# Altium PCB LimeSDR-X3_1v0.PcbDoc (part 17 of 25)
Units mm, origin at the board's own origin, x right, y up, seen from the top; angles counter-clockwise.
Board outline 232.5 x 111.15 mm, 12 copper layers (Top, L2, L3, L4, L5, L6, L7, L8, L9, L10, L11, Bottom), stack 1.596 mm thick; 2057 components, 1391 nets, 8880 pads, 3657 vias.
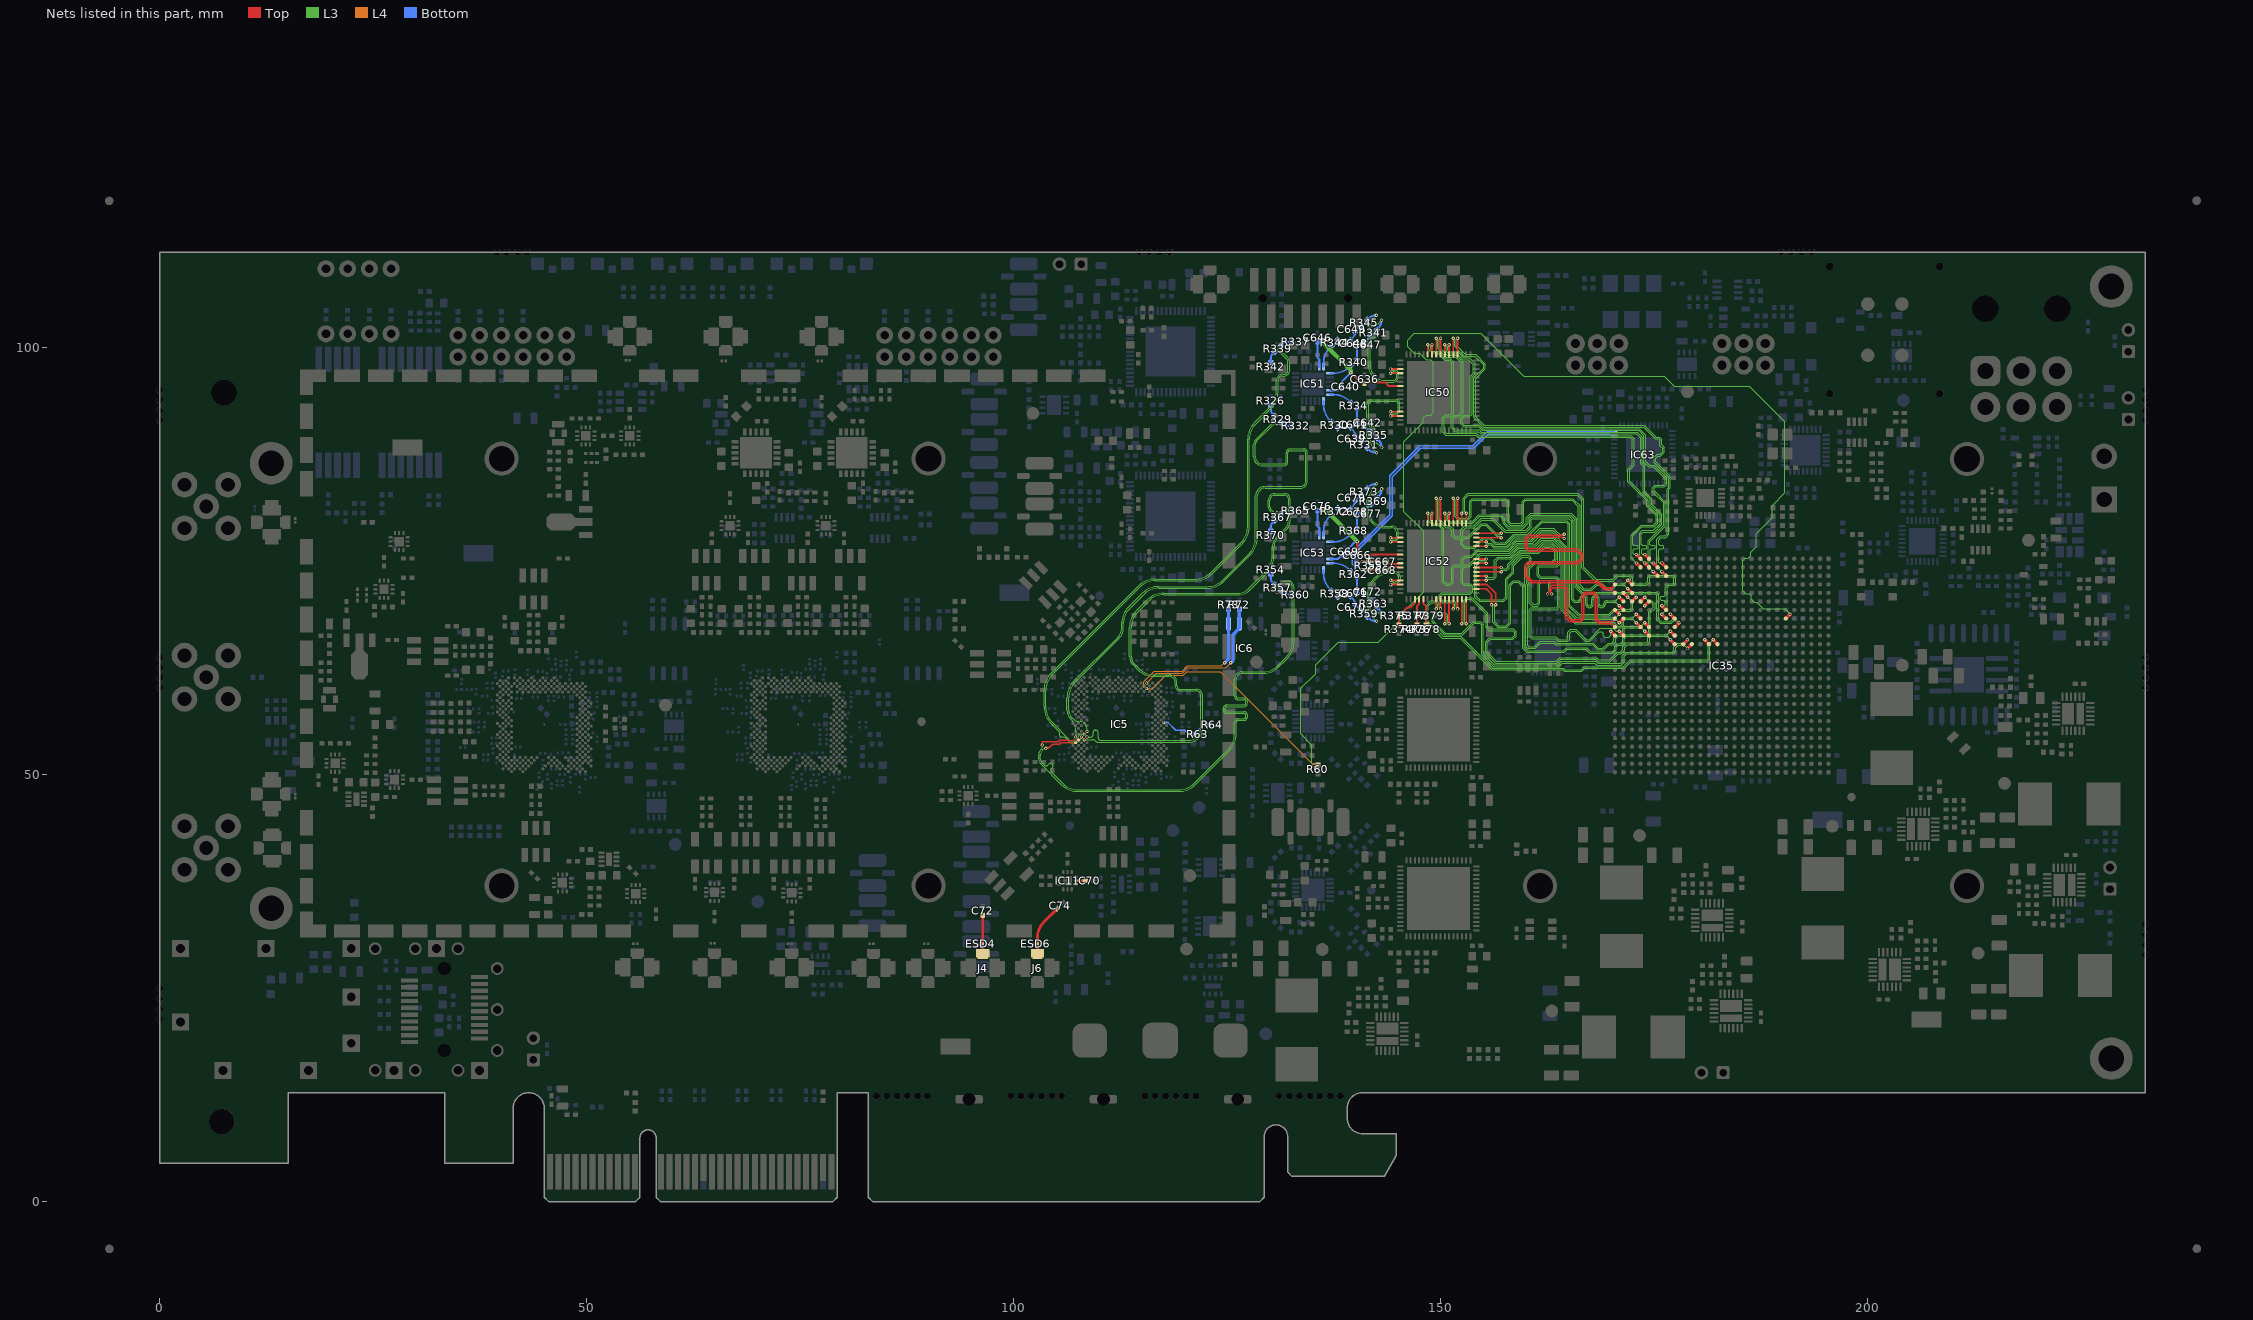
[diagram p27: the nets of this part, all layers, seen from the top]

## Via types
v1: diameter 0.4, hole 0.2, Top to Bottom, tented both sides, 3068 vias
v2: diameter 0.35, hole 0.2, Top to Bottom, tented both sides, 272 vias
v3: diameter 0.5, hole 0.2, Top to Bottom, tented bottom, 196 vias
v4: diameter 0.5, hole 0.2, Top to Bottom, tented both sides, 102 vias
v5: diameter 0.8, hole 0.4, Top to Bottom, tented both sides, 13 vias
v6: diameter 0.4, hole 0.2, Top to Bottom, tented top, 6 vias

## Nets (pads, with @x,y where several pads share a name; then routed paths per layer and width w, separated by ;. In a path a pad name is that pad's centre, name@x,y a point inside that pad or via, vN(x,y) a via of type N, cw(c..) or ccw(c..) an arc to the next point about the centre after c; other vN are vias at no path point) (continued)
LMS3_BB_ADC1_DB3_N: IC35.AE20 IC50.4 | length 55.4
  Top w0.2: IC50.4@151.95,99.2 v1(151.95,101.1)
  Top w0.4: v1(175.875,74.775) IC35.AE20@176.375,74.275
  L3 w0.1: v1(151.95,101.1) 151.95,101.041 151.8,100.891 151.8,100.233 152.254,99.779 152.833,99.2 154.058,99.2 155.2,98.058 155.2,97.525 154.05,96.375 154.05,91.925 155.075,90.9 173.808,90.9 175.183,89.525 175.583,89.525 175.85,89.258 175.85,88.605 176.149,88.306 176.149,87.741 175.708,87.3 175.383,87.3 175.15,87.067 175.15,86.608 176.85,84.908 176.85,83.567 176.675,83.392 176.675,78.133 176.301,77.759 175.766,77.759 175.475,77.467 175.475,77 175.6,76.875 175.975,76.875 176.075,76.775 176.075,76.525 175.975,76.425 175.6,76.425 175.5,76.325 175.5,74.875 175.6,74.775 v1(175.875,74.775)
LMS3_BB_ADC1_DB3_P: IC35.AD20 IC50.5 | length 55.4
  Top w0.2: IC50.5@151.45,99.2 v1(151.45,101.1)
  Top w0.4: v1(175.875,73.775) IC35.AD20@176.375,73.275
  L3 w0.1: v1(151.45,101.1) 151.45,101.041 151.6,100.891 151.6,100.15 152.171,99.579 152.75,99 153.975,99 155,97.975 155,97.608 153.85,96.458 153.85,91.842 154.992,90.7 173.725,90.7 175.1,89.325 175.5,89.325 175.65,89.175 175.65,88.522 175.949,88.224 175.949,87.824 175.625,87.5 175.3,87.5 174.95,87.15 174.95,86.525 176.65,84.825 176.65,83.65 176.475,83.475 176.475,78.216 176.218,77.959 175.684,77.959 175.275,77.55 175.275,74.375 v1(175.875,73.775)
LMS3_BB_ADC1_DB4_N: IC35.AE21 IC50.6 | length 56.4
  Top w0.2: IC50.6@150.95,99.2 v1(150.95,100.35)
  Top w0.4: v1(174.875,74.775) IC35.AE21@175.375,74.275
  L3 w0.1: v1(150.95,100.35) 150.95,100.291 150.8,100.141 150.8,99.675 150.975,99.5 151.958,99.5 152.658,98.8 153.295,98.8 154,98.095 154,96.917 153.65,96.567 153.65,92.217 153.333,91.9 152.75,91.9 152.5,91.65 152.5,91.175 152.75,90.925 153,90.925 154.133,90.925 154.484,90.925 154.909,90.5 173.233,90.5 173.975,89.758 173.975,86.675 174.425,86.225 174.967,86.225 176.45,84.742 176.45,84.017 176.133,83.7 175.158,83.7 174.966,83.509 174.966,83.216 176.275,81.908 176.275,79.092 174.475,77.292 174.475,77 174.6,76.875 174.975,76.875 175.075,76.775 175.075,76.525 174.975,76.425 174.6,76.425 174.5,76.325 174.5,74.875 174.6,74.775 v1(174.875,74.775)
LMS3_BB_ADC1_DB4_P: IC35.AD21 IC50.7 | length 56.4
  Top w0.2: IC50.7@150.45,99.2 v1(150.45,100.35)
  Top w0.4: v1(174.875,73.775) IC35.AD21@175.375,73.275
  L3 w0.1: v1(150.45,100.35) 150.45,100.291 150.6,100.141 150.6,99.675 150.6,99.592 150.892,99.3 151.875,99.3 152.575,98.6 153.213,98.6 153.8,98.013 153.8,97 153.45,96.65 153.45,92.3 153.25,92.1 152.667,92.1 152.3,91.733 152.3,91.092 152.667,90.725 153,90.725 154.05,90.725 154.401,90.725 154.826,90.3 173.15,90.3 173.775,89.675 173.775,86.592 174.342,86.025 174.884,86.025 176.25,84.659 176.25,84.1 176.05,83.9 175.075,83.9 174.766,83.591 174.766,83.134 176.075,81.825 176.075,79.175 174.275,77.375 174.275,74.375 v1(174.875,73.775)
LMS3_BB_ADC1_DB5_N: IC35.AF22 IC50.8 | length 55.9
  Top w0.2: IC50.8@149.95,99.2 v1(149.95,101.1)
  Top w0.4: v1(173.875,75.775) IC35.AF22@174.375,75.275
  L3 w0.1: v1(149.95,101.1) 149.95,101.041 149.8,100.891 149.8,100.025 150.725,99.1 151.792,99.1 152.6,98.292 152.6,92.342 152.158,91.9 151.679,91.9 151.425,91.646 151.425,90.7 151.75,90.375 154.469,90.375 154.744,90.1 172.968,90.1 173.575,89.493 173.575,86.509 173.875,86.209 173.875,83.15 174.7,82.325 174.7,81.65 175.875,80.475 175.875,79.317 174.958,78.4 173.669,78.4 173.475,78.206 173.475,77 173.6,76.875 173.975,76.875 174.075,76.775 174.075,76.525 173.975,76.425 173.6,76.425 173.5,76.325 173.5,75.875 173.6,75.775 v1(173.875,75.775)
LMS3_BB_ADC1_DB5_P: IC35.AE22 IC50.9 | length 55.9
  Top w0.2: IC50.9@149.45,99.2 v1(149.45,101.1)
  Top w0.4: v1(173.875,74.775) IC35.AE22@174.375,74.275
  L3 w0.1: v1(149.45,101.1) 149.45,101.041 149.6,100.891 149.6,99.942 150.642,98.9 151.709,98.9 152.4,98.209 152.4,92.425 152.075,92.1 151.596,92.1 151.225,91.729 151.225,90.617 151.667,90.175 154.386,90.175 154.661,89.9 172.885,89.9 173.375,89.41 173.375,86.426 173.675,86.126 173.675,83.067 174.5,82.242 174.5,81.567 175.675,80.392 175.675,79.4 174.875,78.6 173.586,78.6 173.275,78.289 173.275,75.375 v1(173.875,74.775)
LMS3_BB_ADC1_DB6_N: IC35.AF23 IC50.10 | length 55.7
  Top w0.2: IC50.10@148.95,99.2 v1(148.95,100.35)
  Top w0.4: v1(172.875,75.775) IC35.AF23@173.375,75.275
  L3 w0.1: v1(148.95,100.35) 148.95,100.291 148.8,100.141 148.8,99.825 149.05,99.575 149.658,99.575 150.533,98.7 151.108,98.7 151.475,98.333 151.475,92.262 151.138,91.925 150.6,91.925 150.375,91.7 150.375,90.208 150.633,89.95 154.158,89.95 154.408,89.7 172.258,89.7 172.625,89.333 172.625,86.217 172.1,85.692 172.1,84.35 174.3,82.15 174.3,81.484 175.4,80.384 175.4,79.442 174.958,79 173.533,79 172.475,77.942 172.475,77 172.6,76.875 172.975,76.875 173.075,76.775 173.075,76.525 172.975,76.425 172.6,76.425 172.5,76.325 172.5,75.875 172.6,75.775 v1(172.875,75.775)
LMS3_BB_ADC1_DB6_P: IC35.AE23 IC50.11 | length 55.7
  Top w0.2: IC50.11@148.45,99.2 v1(148.45,100.35)
  Top w0.4: v1(172.875,74.775) IC35.AE23@173.375,74.275
  L3 w0.1: v1(148.45,100.35) 148.45,100.291 148.6,100.141 148.6,99.742 148.967,99.375 149.575,99.375 150.45,98.5 151.025,98.5 151.275,98.25 151.275,92.345 151.055,92.125 150.517,92.125 150.175,91.783 150.175,90.125 150.55,89.75 154.075,89.75 154.325,89.5 172.175,89.5 172.425,89.25 172.425,86.3 171.9,85.775 171.9,84.267 174.1,82.067 174.1,81.401 175.2,80.301 175.2,79.525 174.875,79.2 173.45,79.2 172.275,78.025 172.275,75.375 v1(172.875,74.775)
LMS3_BB_ADC1_INA_N: IC50.30 R331.1 | length 15.1
  Top w0.2: v1(144.1,92) IC50.30@145.25,92
  L3 w0.1: v1(142.45,87.7) 142.075,88.075 cw(c142.437,88.437) 141.925,88.437 ccw(c141.33,88.437) 141.751,88.858 141.577,89.031 cw(c142.186,89.64) 141.325,89.64 141.325,93.391 cw(c141.834,93.391) 141.834,93.9 144.746,93.9 cw(c144.746,93.471) 145.175,93.471 145.175,92.677 cw(c144.648,92.677) 144.648,92.15 144.462,92.15 ccw(c144.462,91.779) 144.2,92.041 cw(c144.1,92.141) v1(144.1,92)
  Bottom w0.254: R331.1@141.372,88.247 141.543,88.076 ccw(c142.45,88.983) v1(142.45,87.7)
LMS3_BB_ADC1_INA_P: IC50.29 R335.1 | length 15
  Top w0.2: v1(144.1,92.5) IC50.29@145.25,92.5
  L3 w0.1: v1(143.05,88.3) 142.675,88.675 ccw(c142.313,88.313) 142.313,88.825 cw(c142.313,89.42) 141.892,88.999 141.72,89.171 cw(c142.191,89.642) 141.525,89.642 141.525,89.863 cw(c141.787,89.863) 141.787,90.125 142.05,90.125 ccw(c142.05,90.35) 142.275,90.35 142.275,90.55 ccw(c142.1,90.55) 142.1,90.725 141.825,90.725 cw(c141.825,91.025) 141.525,91.025 141.525,93.378 cw(c141.847,93.378) 141.847,93.7 144.746,93.7 cw(c144.746,93.471) 144.975,93.471 144.975,92.677 cw(c144.648,92.677) 144.648,92.35 144.462,92.35 cw(c144.462,92.721) 144.2,92.459 ccw(c144.1,92.359) v1(144.1,92.5)
  Bottom w0.254: R335.1@142.503,89.378 142.674,89.207 cw(c141.767,88.3) v1(143.05,88.3)
LMS3_BB_ADC1_INB_N: IC50.20 R341.1 | length 15.1
  Top w0.2: v1(144.1,97) IC50.20@145.25,97
  L3 w0.1: v1(143.041,103.191) 142.666,102.816 cw(c142.304,103.179) 142.304,102.666 ccw(c142.304,102.072) 141.884,102.492 ccw(c142.327,102.049) 141.7,102.049 ccw(c142,102.049) 142,101.749 142.275,101.749 cw(c142.275,101.574) 142.45,101.574 142.45,101.374 cw(c142.225,101.374) 142.225,101.149 141.962,101.149 ccw(c141.962,100.887) 141.7,100.887 141.7,97.925 ccw(c143.475,97.925) 143.475,96.15 144.363,96.15 ccw(c144.363,96.613) 144.825,96.613 144.825,96.9 ccw(c144.575,96.9) 144.575,97.15 144.462,97.15 ccw(c144.462,96.779) 144.2,97.041 cw(c144.1,97.141) v1(144.1,97)
  Bottom w0.254: R341.1@142.495,102.113 142.666,102.284 ccw(c141.759,103.191) v1(143.041,103.191)
LMS3_BB_ADC1_INB_P: IC50.19 R345.1 | length 15.1
  Top w0.2: v1(144.1,97.5) IC50.19@145.25,97.5
  L3 w0.1: v1(142.441,103.791) 142.066,103.416 ccw(c142.429,103.054) 141.916,103.054 cw(c141.322,103.054) 141.742,102.634 141.741,102.632 ccw(c142.322,102.051) 141.5,102.051 141.5,97.925 ccw(c143.475,97.925) 143.475,95.95 144.373,95.95 ccw(c144.373,96.602) 145.025,96.602 145.025,96.9 ccw(c144.575,96.9) 144.575,97.35 144.462,97.35 cw(c144.462,97.721) 144.2,97.459 ccw(c144.1,97.359) v1(144.1,97.5)
  Bottom w0.254: R345.1@141.363,103.245 141.534,103.416 cw(c142.441,102.509) v1(142.441,103.791)
LMS3_BB_ADC1_VCM: C636.2 C640.1 C646.1 IC50.23 IC51.11 IC51.17 | length 19.1
  Top w0.24: 140.573,95.925 143.46,95.925 143.885,95.5 IC50.23@145.25,95.5
  Top w0.254: v1(139.449,97.049) 140.573,95.925 140.598,95.9 140.95,95.9 C636.2@141.05,95.8
  L3 w0.5: v1(136.1,100.675) 139.449,97.326 v1(139.449,97.049)
  Bottom w0.254: C646.1@135.55,100.675 135.55,98.825 135.75,98.625 IC51.11@135.75,97.75 ; IC51.17@137,95 137.925,95 C640.1@138.325,95.4 138.325,95.925 v1(139.449,97.049)
  Bottom w0.4: C646.1@135.55,100.675 v1(136.1,100.675)
LMS3_BB_ADC2_CLK_N: C668.2 IC63.36 R355.1 | length 43.9
  Top w0.2: v1(140.752,73.952) C668.2@142.634,73.952
  Bottom w0.2: v1(140.752,73.952) 140.698,73.952 140.598,74.052 140.586,74.052 140.336,74.302 140.026,74.302 139.625,74.702 139.625,76.049 144,80.424 144,84.974 147.526,88.5 153.725,88.5 155.35,90.125 169.812,90.125 169.887,90.2 170.275,90.2 IC63.36@170.3,90.225
LMS3_BB_ADC2_CLK_P: C667.2 IC63.35 R355.2 | length 42.9
  Top w0.2: v1(140.752,74.952) R355.2@141.534,74.952 C667.2@142.634,74.952
  Bottom w0.2: v1(140.752,74.952) 140.698,74.952 140.598,74.852 140.586,74.852 140.336,74.602 140.15,74.602 139.925,74.827 139.925,75.925 144.3,80.3 144.3,84.85 147.65,88.2 153.849,88.2 155.474,89.825 169.812,89.825 169.887,89.75 170.275,89.75 IC63.35@170.3,89.725
LMS3_BB_ADC2_CLKC_N: C668.1 IC52.26 | length 1.8
  Top w0.2: C668.1@143.634,74 143.822,74.188 ccw(c143.794,74.216) 143.834,74.216 cw(c143.873,74.216) 143.845,74.244 cw(c144.1,73.99) 144.1,74.35 144.625,74.35 144.813,74.35 cw(c144.813,74.179) 144.934,74.3 ccw(c145.055,74.421) 145.055,74.25 IC52.26@145.25,74.25
LMS3_BB_ADC2_CLKC_P: C667.1 IC52.25 | length 1.8
  Top w0.2: C667.1@143.634,75 143.822,74.812 cw(c143.794,74.784) 143.834,74.784 ccw(c143.873,74.784) 143.845,74.756 ccw(c144.1,75.01) 144.1,74.65 144.813,74.65 ccw(c144.813,74.821) 144.934,74.7 cw(c145.055,74.579) 145.055,74.75 IC52.25@145.25,74.75
LMS3_BB_ADC2_CLKOUT_N: IC35.V22 IC52.56 | length 44.1
  Top w0.2: IC52.56@154.15,74.75 v1(155.3,74.75)
  Top w0.4: v1(173.875,67.775) IC35.V22@174.375,67.275
  L3 w0.1: v1(155.3,74.75) 155.271,74.75 155.121,74.9 154.575,74.9 154.15,74.475 154.15,70.875 154.55,70.475 157.3,70.475 157.575,70.75 157.575,72.95 158.325,73.7 158.325,74.556 159.444,75.675 160.269,75.675 160.6,75.344 160.6,74.866 160.025,74.291 160.025,72.374 160.15,72.249 160.15,65.066 160.241,64.975 160.95,64.975 161.567,65.592 163.29,65.592 163.483,65.4 167.833,65.4 168.435,64.798 168.973,64.798 169.575,65.4 170,65.4 170.25,65.65 170.25,65.983 170.642,66.375 171,66.375 171.275,66.65 171.275,67.084 171.566,67.375 173.475,67.375 v1(173.875,67.775)
LMS3_BB_ADC2_CLKOUT_P: IC35.U22 IC52.57 | length 44.8
  Top w0.2: IC52.57@154.15,75.25 v1(155.3,75.25)
  Top w0.4: v1(173.875,66.775) IC35.U22@174.375,66.275
  L3 w0.1: v1(155.3,75.25) 155.271,75.25 155.121,75.1 154.767,75.1 154.492,75.1 153.95,74.558 153.95,74.283 153.95,71.875 153.95,70.792 154.467,70.275 157.383,70.275 157.775,70.667 157.775,72.867 158.525,73.617 158.525,74.473 159.527,75.475 160.186,75.475 160.4,75.261 160.4,74.949 159.825,74.374 159.825,72.291 159.95,72.166 159.95,64.983 160.158,64.775 161.033,64.775 161.65,65.392 163.208,65.392 163.4,65.2 167.75,65.2 168.352,64.598 169.055,64.598 169.658,65.2 170.083,65.2 170.45,65.567 170.45,65.9 170.725,66.175 171.083,66.175 171.475,66.567 171.475,67.001 171.649,67.175 173.475,67.175 v1(173.875,66.775)
LMS3_BB_ADC2_CTRL1: IC52.35 R374.1 R375.2 | length 4.1
  Top w0.24: R374.1@145.075,67.525 R375.2@145.075,68.625 146,69.55 146.425,69.55 146.95,70.075 IC52.35@146.95,70.55
LMS3_BB_ADC2_CTRL2: IC52.36 R376.1 R377.2 | length 3.1
  Top w0.24: R376.1@147.175,67.525 R377.2@147.175,68.625 147.175,69.725 147.45,70 IC52.36@147.45,70.55
LMS3_BB_ADC2_CTRL3: IC52.37 R378.1 R379.2 | length 3.2
  Top w0.24: IC52.37@147.95,70.55 147.95,70.025 148.275,69.7 R379.2@148.275,68.625 R378.1@148.275,67.525
LMS3_BB_ADC2_DA0_N: IC35.T15 IC52.40 | length 43.6
  Top w0.2: v1(149.45,69.4) IC52.40@149.45,70.55
  Top w0.4: v1(180.875,65.775) IC35.T15@181.375,65.275
  L3 w0.1: v1(149.45,69.4) 149.45,69.429 149.6,69.579 149.6,69.967 149.417,70.15 148.908,70.15 148.525,69.767 148.525,67.9 150.25,66.175 152.333,66.175 156.058,62.45 164.4,62.45 164.55,62.3 166.417,62.3 166.742,62.625 171.367,62.625 172.167,63.425 181.15,63.425 181.275,63.55 181.275,65.375 v1(180.875,65.775)
LMS3_BB_ADC2_DA0_P: IC35.T14 IC52.41 | length 45
  Top w0.2: v1(149.95,69.4) IC52.41@149.95,70.55
  Top w0.4: v1(181.875,65.775) IC35.T14@182.375,65.275
  L3 w0.1: v1(149.95,69.4) 149.95,69.429 149.8,69.579 149.8,70.05 149.5,70.35 148.825,70.35 148.325,69.85 148.325,67.925 148.325,67.817 150.167,65.975 152.25,65.975 155.975,62.25 164.317,62.25 164.467,62.1 166.5,62.1 166.825,62.425 171.45,62.425 172.25,63.225 181.233,63.225 181.475,63.467 181.475,65.375 v1(181.875,65.775)
LMS3_BB_ADC2_DA1_N: IC35.T18 IC52.42 | length 43.8
  Top w0.2: v1(150.45,67.65) IC52.42@150.45,70.55
  Top w0.4: IC35.T18@178.375,65.275 v1(178.875,65.775)
  L3 w0.1: v1(150.45,67.65) 150.45,67.679 150.6,67.829 150.6,68.55 150.35,68.8 149.575,68.8 149.175,68.4 149.175,67.924 150.523,66.575 152.442,66.575 153.792,67.925 154.633,67.925 154.95,67.608 154.95,64.139 156.239,62.85 163.711,62.85 164.111,63.25 166.264,63.25 168.108,63.25 168.333,63.025 171.05,63.025 171.25,63.225 171.25,63.928 171.647,64.325 177.075,64.325 177.275,64.525 177.275,64.953 177.697,65.375 178.475,65.375 v1(178.875,65.775)
LMS3_BB_ADC2_DA1_P: IC35.T17 IC52.43 | length 44.7
  Top w0.2: v1(150.95,67.65) IC52.43@150.95,70.55
  Top w0.4: v1(178.875,64.775) IC35.T17@179.375,65.275
  L3 w0.1: v1(150.95,67.65) 150.95,67.679 150.8,67.829 150.8,68.4 150.8,68.633 150.433,69 149.492,69 148.975,68.483 148.975,67.841 150.441,66.375 152.525,66.375 153.875,67.725 154.55,67.725 154.75,67.525 154.75,64.056 155.126,63.68 156.156,62.65 163.794,62.65 164.194,63.05 168.025,63.05 168.25,62.825 171.133,62.825 171.45,63.142 171.45,63.845 171.73,64.125 177.158,64.125 177.475,64.442 177.475,64.87 177.78,65.175 178.475,65.175 v1(178.875,64.775)
LMS3_BB_ADC2_DA2_N: IC35.W23 IC52.44 | length 43.8
  Top w0.2: v1(151.45,69.4) IC52.44@151.45,70.55
  Top w0.4: v1(172.875,68.775) IC35.W23@173.375,68.275
  L3 w0.1: v1(151.45,69.4) 151.45,69.429 151.6,69.579 151.6,69.965 151.415,70.15 150.142,70.15 149.775,70.517 149.775,70.975 150.1,71.3 153.35,71.3 153.55,71.5 153.55,71.975 153.375,72.15 152.665,72.15 152.375,72.44 152.375,74.158 152.767,74.55 153.242,74.55 154.592,75.9 157.972,75.9 158.972,76.9 160.967,76.9 161.717,77.65 163.167,77.65 164.3,76.517 164.3,69.333 165.783,67.85 170.208,67.85 170.683,67.375 171,67.375 171.225,67.6 171.225,68.083 171.517,68.375 172.475,68.375 v1(172.875,68.775)
LMS3_BB_ADC2_DA2_P: IC35.V23 IC52.45 | length 43.5
  Top w0.2: v1(151.95,69.4) IC52.45@151.95,70.55
  Top w0.4: v1(172.875,67.775) IC35.V23@173.375,67.275
  L3 w0.1: v1(151.95,69.4) 151.95,69.429 151.8,69.579 151.8,69.965 151.8,70.047 151.497,70.35 150.225,70.35 149.975,70.6 149.975,70.892 150.183,71.1 153.433,71.1 153.75,71.417 153.75,72.058 153.458,72.35 152.748,72.35 152.575,72.523 152.575,73.299 152.575,74.075 152.85,74.35 153.325,74.35 154.675,75.7 156.542,75.7 158.055,75.7 159.055,76.7 161.05,76.7 161.8,77.45 163.084,77.45 164.1,76.434 164.1,69.25 165.7,67.65 170.125,67.65 170.6,67.175 171.083,67.175 171.425,67.517 171.425,68 171.6,68.175 172.475,68.175 v1(172.875,67.775)
LMS3_BB_ADC2_DA3_N: IC35.U19 IC52.46 | length 44.7
  Top w0.2: v1(152.45,67.65) IC52.46@152.45,70.55
  Top w0.4: v1(176.875,66.775) IC35.U19@177.375,66.275
  L3 w0.1: v1(152.45,67.65) 152.45,67.679 152.6,67.829 152.6,70.283 153.042,70.725 153.658,70.725 155.5,68.883 155.5,67.25 155.7,67.05 158.483,67.05 158.825,66.708 158.825,66.225 158.425,65.825 155.758,65.825 155.425,65.492 155.425,64.3 156.475,63.25 163.475,63.25 163.925,63.7 166.45,63.7 168.224,63.7 168.499,63.425 169.742,63.425 170.667,64.35 171,64.35 171.3,64.65 171.3,65.008 171.717,65.425 174.02,65.425 174.225,65.63 174.225,66.033 174.567,66.375 176.475,66.375 v1(176.875,66.775)
LMS3_BB_ADC2_DA3_P: IC35.T19 IC52.47 | length 44.4
  Top w0.2: v1(152.95,67.65) IC52.47@152.95,70.55
  Top w0.4: v1(176.875,65.775) IC35.T19@177.375,65.275
  L3 w0.1: v1(152.95,67.65) 152.95,67.679 152.8,67.829 152.8,68.55 152.8,70.2 153.125,70.525 153.575,70.525 155.3,68.8 155.3,67.167 155.617,66.85 158.4,66.85 158.625,66.625 158.625,66.308 158.342,66.025 155.675,66.025 155.225,65.575 155.225,64.217 156.392,63.05 163.558,63.05 164.008,63.5 168.141,63.5 168.416,63.225 169.825,63.225 170.75,64.15 171.083,64.15 171.5,64.567 171.5,64.925 171.8,65.225 174.103,65.225 174.425,65.547 174.425,65.95 174.65,66.175 176.475,66.175 v1(176.875,65.775)
LMS3_BB_ADC2_DA4_N: IC35.AA23 IC52.50 | length 44.1
  Top w0.2: IC52.50@154.15,71.75 155.3,71.75 155.925,71.125 v1(155.925,69.9)
  Top w0.4: IC35.AA23@173.375,70.275 v1(173.875,70.775)
  L3 w0.1: v1(155.925,69.9) 155.925,69.871 156.075,69.721 156.075,67.821 156.646,67.25 157.708,67.25 158.175,67.717 158.175,72.175 158.525,72.525 159.025,72.525 159.55,72 159.55,64.817 160.067,64.3 164.425,64.3 164.8,64.675 166.975,64.675 167.452,64.198 170.13,64.198 170.525,64.592 170.525,64.95 170.725,65.15 171.1,65.15 171.475,65.525 171.475,65.925 171.725,66.175 174.058,66.175 174.525,66.642 174.525,68.951 175.075,69.501 175.075,69.983 174.683,70.375 174.275,70.375 v1(173.875,70.775)
LMS3_BB_ADC2_DA4_P: IC35.AA22 IC52.51 | length 43.9
  Top w0.2: IC52.51@154.15,72.25 155.4,72.25 156.425,71.225 v1(156.425,69.9)
  Top w0.4: v1(173.875,69.775) IC35.AA22@174.375,70.275
  L3 w0.1: v1(156.425,69.9) 156.425,69.871 156.275,69.721 156.275,67.904 156.729,67.45 157.625,67.45 157.975,67.8 157.975,72.258 158.442,72.725 159.108,72.725 159.625,72.208 159.75,72.083 159.75,64.9 160.15,64.5 164.342,64.5 164.717,64.875 167.058,64.875 167.535,64.398 170.048,64.398 170.325,64.675 170.325,65.033 170.642,65.35 171.017,65.35 171.275,65.608 171.275,66.008 171.642,66.375 173.975,66.375 174.325,66.725 174.325,69.034 174.875,69.584 174.875,69.9 174.6,70.175 174.275,70.175 v1(173.875,69.775)
LMS3_BB_ADC2_DA5_N: IC35.U26 IC52.52 | length 43.5
  Top w0.2: IC52.52@154.15,72.75 v1(155.3,72.75)
  Top w0.4: v1(169.875,66.775) IC35.U26@170.375,66.275
  L3 w0.1: v1(155.3,72.75) 155.329,72.75 155.479,72.9 155.852,72.9 156.183,72.9 156.45,73.167 156.45,75 156.725,75.275 158.196,75.275 159.221,76.3 161.3,76.3 162.05,77.05 162.875,77.05 162.9,77.025 162.916,77.025 163.7,76.241 163.7,74.7 163.55,74.55 161.492,74.55 161.275,74.333 161.275,73.292 161.592,72.975 163.475,72.975 163.675,72.775 163.675,69.675 163.525,69.525 160.542,69.525 160.35,69.333 160.35,66.192 160.617,65.925 163.375,65.925 163.7,65.6 164.808,65.6 165.073,65.865 165.073,66.573 165.3,66.8 165.709,66.8 166.909,65.6 167.425,65.6 168.55,66.725 168.825,66.725 169.025,66.525 169.025,66.25 169.175,66.1 169.65,66.1 169.875,66.325 v1(169.875,66.775)
LMS3_BB_ADC2_DA5_P: IC35.U25 IC52.53 | length 43.8
  Top w0.2: IC52.53@154.15,73.25 v1(155.3,73.25)
  Top w0.4: v1(170.875,66.775) IC35.U25@171.375,66.275
  L3 w0.1: v1(155.3,73.25) 155.329,73.25 155.479,73.1 156.1,73.1 156.25,73.25 156.25,75.083 156.642,75.475 158.113,75.475 159.138,76.5 161.217,76.5 161.967,77.25 162.958,77.25 162.983,77.225 162.999,77.225 163.9,76.324 163.9,74.617 163.633,74.35 161.575,74.35 161.475,74.25 161.475,73.375 161.675,73.175 163.558,73.175 163.875,72.858 163.875,69.592 163.608,69.325 160.625,69.325 160.55,69.25 160.55,66.275 160.7,66.125 163.458,66.125 163.783,65.8 164.725,65.8 164.873,65.948 164.873,66.656 165.217,67 165.792,67 166.992,65.8 167.342,65.8 168.667,67.125 170.15,67.125 170.5,66.775 v1(170.875,66.775)
LMS3_BB_ADC2_DA6_N: IC35.W26 IC52.54 | length 43.9
  Top w0.15: v1(162.475,71.15) 162.475,71.218 162.6,71.343 162.6,71.729 163.021,72.15 164.504,72.15 164.825,71.829 164.825,68.471 165.171,68.125 166.246,68.125 166.5,68.379 166.5,70.954 166.921,71.375 167.929,71.375 168.325,70.979 168.325,68.239 168.664,67.9 170,67.9 IC35.W26@170.375,68.275
  Top w0.2: IC52.54@154.15,73.75 v1(157.05,73.75)
  L3 w0.1: v1(157.05,73.75) 157.109,73.75 157.259,73.9 157.733,73.9 158.025,74.192 158.025,74.539 159.386,75.9 161.466,75.9 162.191,76.625 162.75,76.625 163.3,76.075 163.3,75.275 163.025,75 161.017,75 160.225,74.208 160.225,72.456 160.35,72.331 160.35,70.075 160.7,69.725 161.258,69.725 161.575,70.042 161.575,72.375 161.75,72.55 162.475,72.55 162.625,72.4 162.625,71.359 162.475,71.209 v1(162.475,71.15)